# Altium PCB ISS_PCB.PcbDoc (part 3 of 4)
Units mm, origin at the board's own origin, x right, y up, seen from the top; angles counter-clockwise.
Board outline 90 x 90 mm, 4 copper layers (Signal+Parts, Power, GND, Signal), stack 1.591 mm thick; 230 components, 176 nets, 945 pads, 541 vias.
Unrouted connection lines stored in the file: 132.
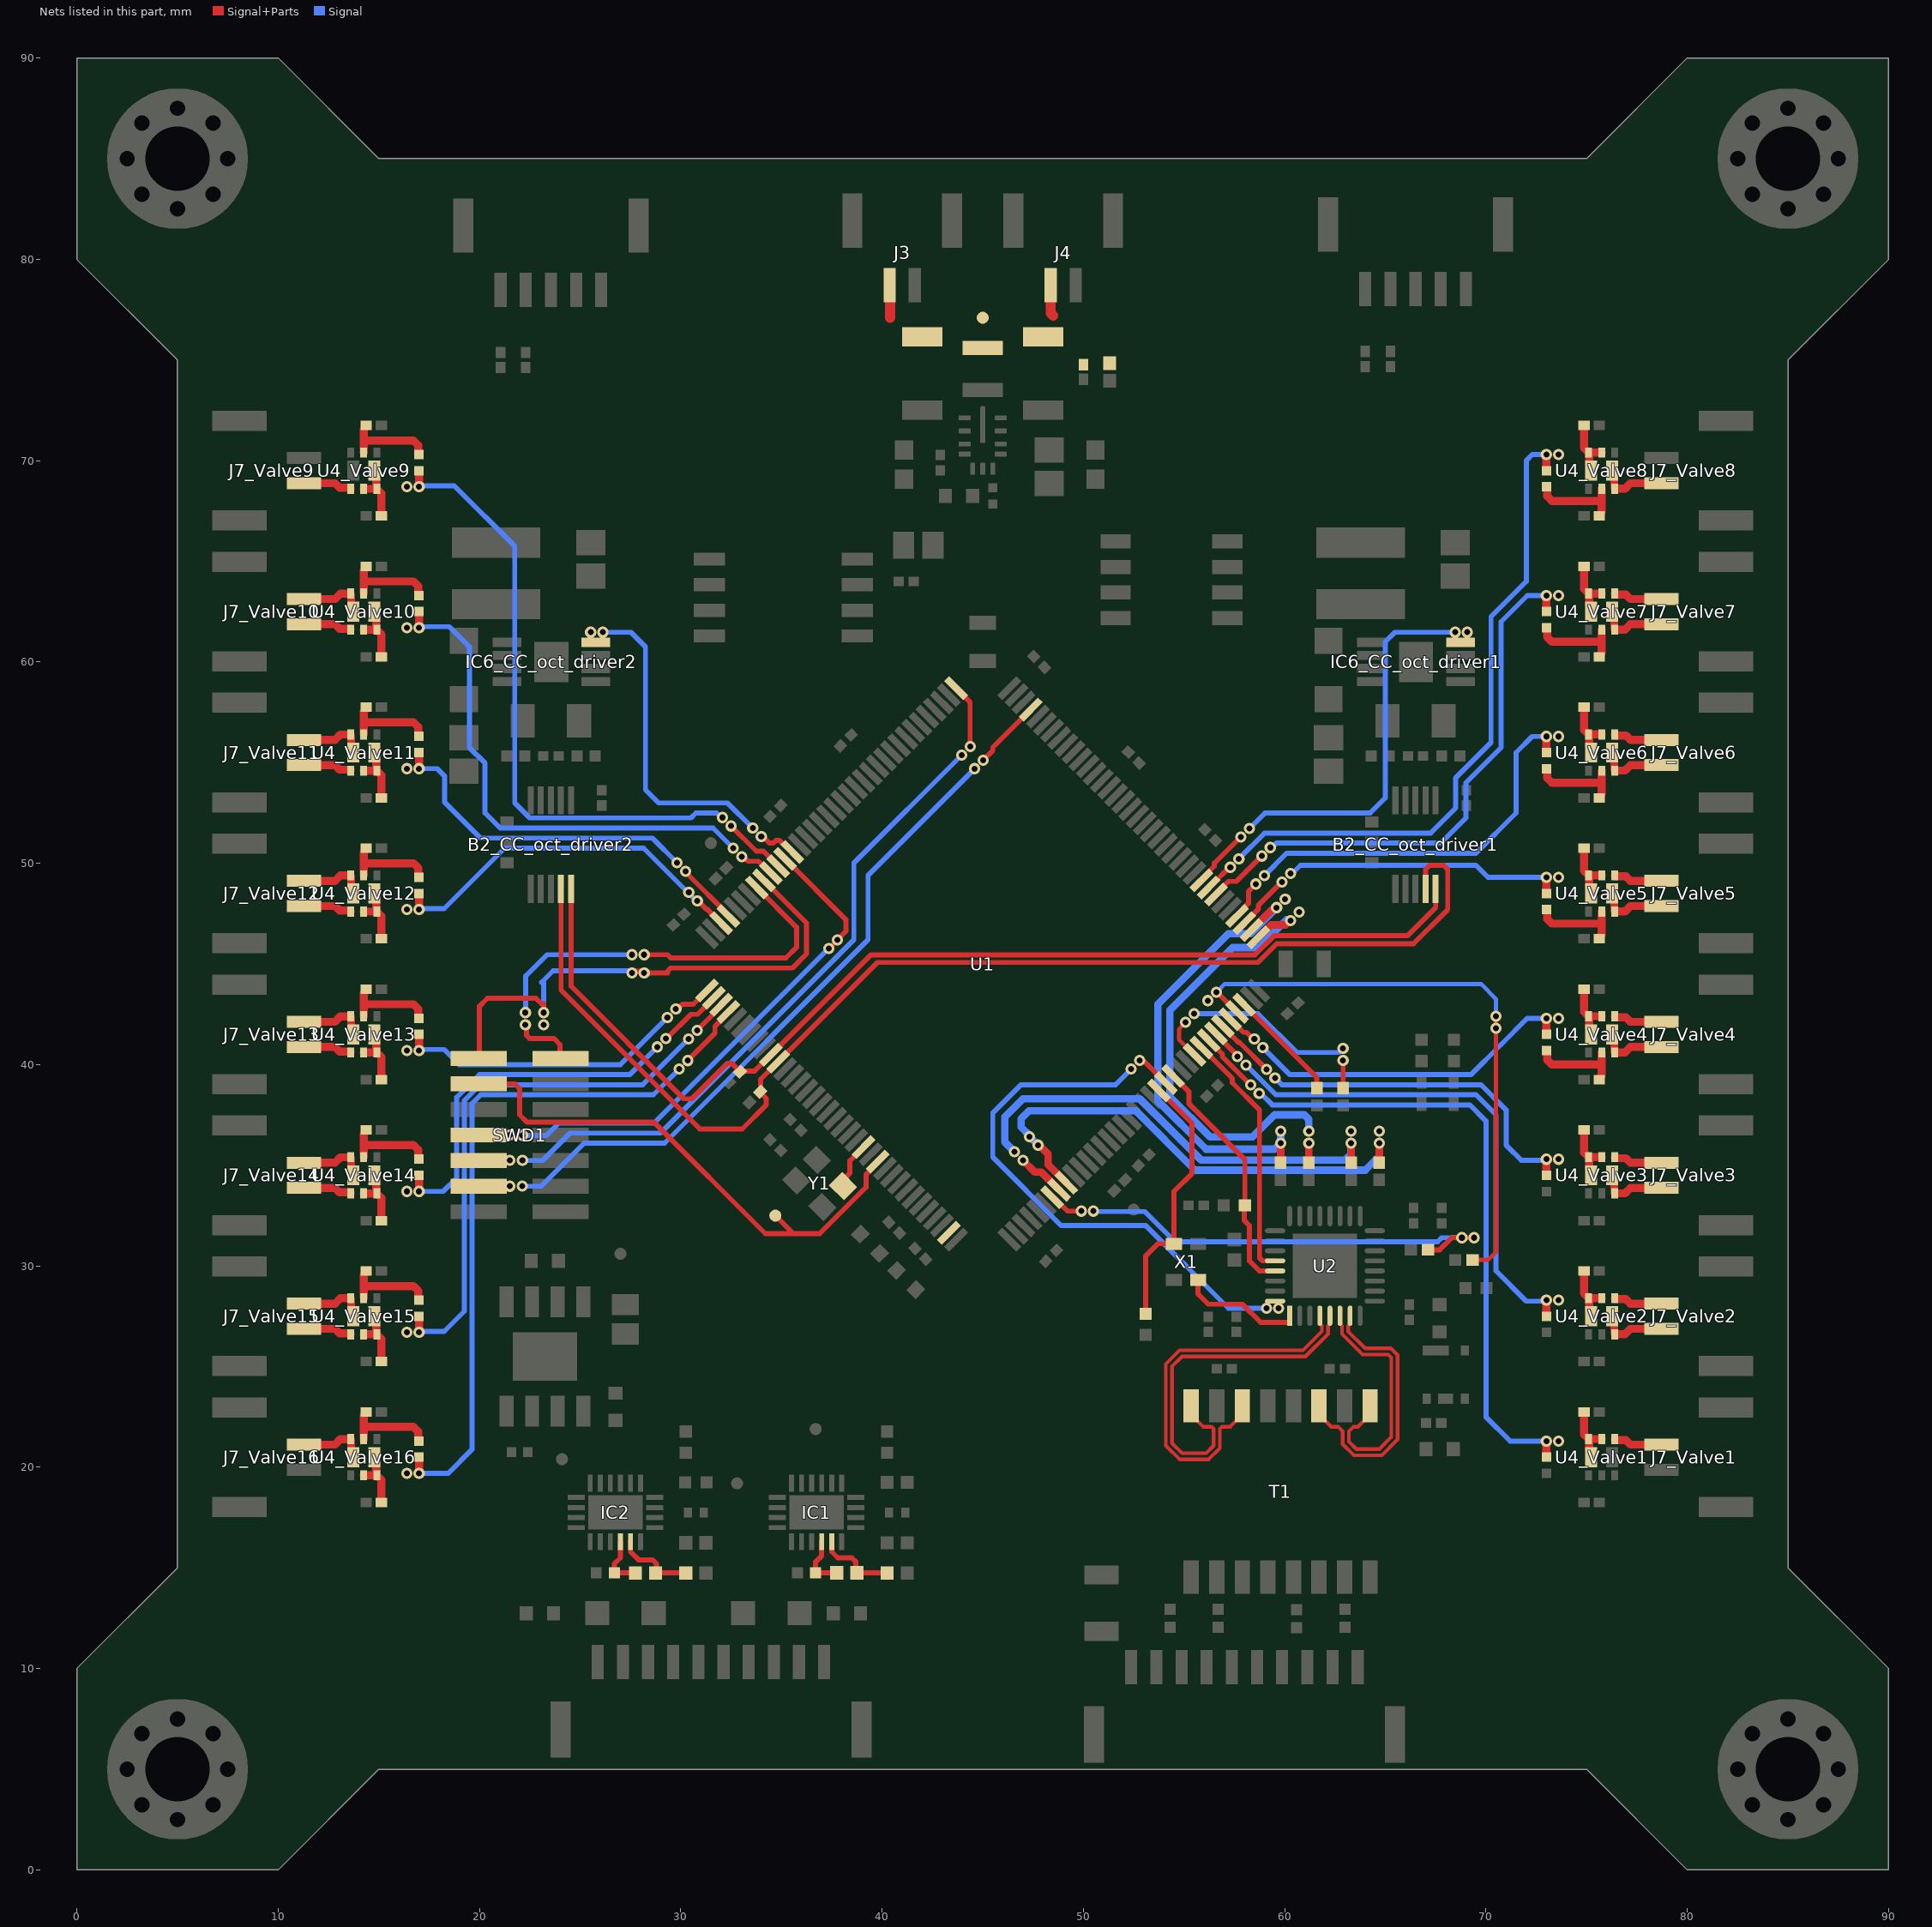
[diagram p5: the nets of this part, all layers, seen from the top]

## Via types
v1: diameter 0.56, hole 0.3, Signal+Parts to Signal, tented both sides, 541 vias

## Nets (pads, with @x,y where several pads share a name; then routed paths per layer and width w, separated by ;. In a path a pad name is that pad's centre, name@x,y a point inside that pad or via, vN(x,y) a via of type N, cw(c..) or ccw(c..) an arc to the next point about the centre after c; other vN are vias at no path point) (continued)
NetR41_Valve4_1: R41_Valve4.1 R43_Valve4.2 U4_Valve4.2 | length 4.7
  Signal+Parts w0.4: R43_Valve4.2@73,40.698 73.002,40.698 73.036,40.664 73.036,40.234 73.271,40 75.75,40 ; R41_Valve4.1@75.6,39.3 75.75,39.45 75.75,40 ; U4_Valve4.2@75.75,40.6 75.75,40
NetR41_Valve5_1: R41_Valve5.1 R43_Valve5.2 U4_Valve5.2 | length 4.7
  Signal+Parts w0.4: R43_Valve5.2@73,47.698 73.002,47.698 73.036,47.664 73.036,47.234 73.271,47 75.75,47 ; R41_Valve5.1@75.6,46.3 75.75,46.45 75.75,47 ; U4_Valve5.2@75.75,47.6 75.75,47
NetR41_Valve6_1: R41_Valve6.1 R43_Valve6.2 U4_Valve6.2 | length 4.7
  Signal+Parts w0.4: R43_Valve6.2@73,54.698 73.002,54.698 73.036,54.664 73.036,54.234 73.271,54 75.75,54 ; R41_Valve6.1@75.6,53.3 75.75,53.45 75.75,54 ; U4_Valve6.2@75.75,54.6 75.75,54
NetR41_Valve7_1: R41_Valve7.1 R43_Valve7.2 U4_Valve7.2 | length 4.7
  Signal+Parts w0.4: R43_Valve7.2@73,61.698 73.002,61.698 73.036,61.664 73.036,61.234 73.271,61 75.75,61 ; R41_Valve7.1@75.6,60.3 75.75,60.45 75.75,61 ; U4_Valve7.2@75.75,61.6 75.75,61
NetR41_Valve8_1: R41_Valve8.1 R43_Valve8.2 U4_Valve8.2 | length 4.7
  Signal+Parts w0.4: R43_Valve8.2@73,68.698 73.002,68.698 73.036,68.664 73.036,68.234 73.271,68 75.75,68 ; R41_Valve8.1@75.6,67.3 75.75,67.45 75.75,68 ; U4_Valve8.2@75.75,68.6 75.75,68
NetR41_Valve9_1: R41_Valve9.1 R43_Valve9.2 U4_Valve9.2 | length 4.7
  Signal+Parts w0.4: U4_Valve9.2@14.25,70.4 14.25,71 ; R41_Valve9.1@14.4,71.7 14.25,71.55 14.25,71 ; R43_Valve9.2@17,70.302 16.998,70.302 16.964,70.336 16.964,70.766 16.729,71 14.25,71
NetR41_Valve10_1: R41_Valve10.1 R43_Valve10.2 U4_Valve10.2 | length 4.7
  Signal+Parts w0.4: U4_Valve10.2@14.25,63.4 14.25,64 ; R41_Valve10.1@14.4,64.7 14.25,64.55 14.25,64 ; R43_Valve10.2@17,63.302 16.998,63.302 16.964,63.336 16.964,63.766 16.729,64 14.25,64
NetR41_Valve11_1: R41_Valve11.1 R43_Valve11.2 U4_Valve11.2 | length 4.7
  Signal+Parts w0.4: U4_Valve11.2@14.25,56.4 14.25,57 ; R41_Valve11.1@14.4,57.7 14.25,57.55 14.25,57 ; R43_Valve11.2@17,56.302 16.998,56.302 16.964,56.336 16.964,56.766 16.729,57 14.25,57
NetR41_Valve12_1: R41_Valve12.1 R43_Valve12.2 U4_Valve12.2 | length 4.7
  Signal+Parts w0.4: U4_Valve12.2@14.25,49.4 14.25,50 ; R41_Valve12.1@14.4,50.7 14.25,50.55 14.25,50 ; R43_Valve12.2@17,49.302 16.998,49.302 16.964,49.336 16.964,49.766 16.729,50 14.25,50
NetR41_Valve13_1: R41_Valve13.1 R43_Valve13.2 U4_Valve13.2 | length 4.7
  Signal+Parts w0.4: U4_Valve13.2@14.25,42.4 14.25,43 ; R41_Valve13.1@14.4,43.7 14.25,43.55 14.25,43 ; R43_Valve13.2@17,42.302 16.998,42.302 16.964,42.336 16.964,42.766 16.729,43 14.25,43
NetR41_Valve14_1: R41_Valve14.1 R43_Valve14.2 U4_Valve14.2 | length 4.7
  Signal+Parts w0.4: U4_Valve14.2@14.25,35.4 14.25,36 ; R41_Valve14.1@14.4,36.7 14.25,36.55 14.25,36 ; R43_Valve14.2@17,35.302 16.998,35.302 16.964,35.336 16.964,35.766 16.729,36 14.25,36
NetR41_Valve15_1: R41_Valve15.1 R43_Valve15.2 U4_Valve15.2 | length 4.7
  Signal+Parts w0.4: U4_Valve15.2@14.25,28.4 14.25,29 ; R41_Valve15.1@14.4,29.7 14.25,29.55 14.25,29 ; R43_Valve15.2@17,28.302 16.998,28.302 16.964,28.336 16.964,28.766 16.729,29 14.25,29
NetR41_Valve16_1: R41_Valve16.1 R43_Valve16.2 U4_Valve16.2 | length 4.7
  Signal+Parts w0.4: U4_Valve16.2@14.25,21.4 14.25,22 ; R41_Valve16.1@14.4,22.7 14.25,22.55 14.25,22 ; R43_Valve16.2@17,21.302 16.998,21.302 16.964,21.336 16.964,21.766 16.729,22 14.25,22
NetR42_Valve1_1: R42_Valve1.1 U4_Valve1.5 U4_Valve1.6 U4_Valve1.7 | length 2.9
  Signal+Parts w0.4: R42_Valve1.1@74.874,22.75 74.874,21.626 U4_Valve1.6@75,21.5 ; U4_Valve1.6@75.1,21.4 U4_Valve1.5@75.75,21.4 ; U4_Valve1.6@75.121,21.379 75.121,20.804 75.2,20.725 U4_Valve1.7@75.2,20.5
NetR42_Valve2_1: R42_Valve2.1 U4_Valve2.5 U4_Valve2.6 U4_Valve2.7 | length 2.9
  Signal+Parts w0.4: R42_Valve2.1@74.874,29.75 74.874,28.626 U4_Valve2.6@75,28.5 ; U4_Valve2.6@75.1,28.4 U4_Valve2.5@75.75,28.4 ; U4_Valve2.6@75.121,28.379 75.121,27.804 75.2,27.725 U4_Valve2.7@75.2,27.5
NetR42_Valve3_1: R42_Valve3.1 U4_Valve3.5 U4_Valve3.6 U4_Valve3.7 | length 2.9
  Signal+Parts w0.4: R42_Valve3.1@74.874,36.75 74.874,35.626 U4_Valve3.6@75,35.5 ; U4_Valve3.6@75.1,35.4 U4_Valve3.5@75.75,35.4 ; U4_Valve3.6@75.121,35.379 75.121,34.804 75.2,34.725 U4_Valve3.7@75.2,34.5
NetR42_Valve4_1: R42_Valve4.1 U4_Valve4.5 U4_Valve4.6 U4_Valve4.7 | length 2.9
  Signal+Parts w0.4: R42_Valve4.1@74.874,43.75 74.874,42.626 U4_Valve4.6@75,42.5 ; U4_Valve4.6@75.1,42.4 U4_Valve4.5@75.75,42.4 ; U4_Valve4.6@75.121,42.379 75.121,41.804 75.2,41.725 U4_Valve4.7@75.2,41.5
NetR42_Valve5_1: R42_Valve5.1 U4_Valve5.5 U4_Valve5.6 U4_Valve5.7 | length 2.9
  Signal+Parts w0.4: R42_Valve5.1@74.874,50.75 74.874,49.626 U4_Valve5.6@75,49.5 ; U4_Valve5.6@75.1,49.4 U4_Valve5.5@75.75,49.4 ; U4_Valve5.6@75.121,49.379 75.121,48.804 75.2,48.725 U4_Valve5.7@75.2,48.5
NetR42_Valve6_1: R42_Valve6.1 U4_Valve6.5 U4_Valve6.6 U4_Valve6.7 | length 2.9
  Signal+Parts w0.4: R42_Valve6.1@74.874,57.75 74.874,56.626 U4_Valve6.6@75,56.5 ; U4_Valve6.6@75.1,56.4 U4_Valve6.5@75.75,56.4 ; U4_Valve6.6@75.121,56.379 75.121,55.804 75.2,55.725 U4_Valve6.7@75.2,55.5
NetR42_Valve7_1: R42_Valve7.1 U4_Valve7.5 U4_Valve7.6 U4_Valve7.7 | length 2.9
  Signal+Parts w0.4: R42_Valve7.1@74.874,64.75 74.874,63.626 U4_Valve7.6@75,63.5 ; U4_Valve7.6@75.1,63.4 U4_Valve7.5@75.75,63.4 ; U4_Valve7.6@75.121,63.379 75.121,62.804 75.2,62.725 U4_Valve7.7@75.2,62.5
NetR42_Valve8_1: R42_Valve8.1 U4_Valve8.5 U4_Valve8.6 U4_Valve8.7 | length 2.9
  Signal+Parts w0.4: R42_Valve8.1@74.874,71.75 74.874,70.626 U4_Valve8.6@75,70.5 ; U4_Valve8.6@75.1,70.4 U4_Valve8.5@75.75,70.4 ; U4_Valve8.6@75.121,70.379 75.121,69.804 75.2,69.725 U4_Valve8.7@75.2,69.5
NetR42_Valve9_1: R42_Valve9.1 U4_Valve9.5 U4_Valve9.6 U4_Valve9.7 | length 2.9
  Signal+Parts w0.4: U4_Valve9.5@14.25,68.6 U4_Valve9.6@14.9,68.6 ; U4_Valve9.7@14.8,69.5 14.8,69.275 14.879,69.196 U4_Valve9.6@14.879,68.621 ; U4_Valve9.6@15,68.5 15.126,68.374 R42_Valve9.1@15.126,67.25
NetR42_Valve10_1: R42_Valve10.1 U4_Valve10.5 U4_Valve10.6 U4_Valve10.7 | length 2.9
  Signal+Parts w0.4: U4_Valve10.5@14.25,61.6 U4_Valve10.6@14.9,61.6 ; U4_Valve10.7@14.8,62.5 14.8,62.275 14.879,62.196 U4_Valve10.6@14.879,61.621 ; U4_Valve10.6@15,61.5 15.126,61.374 R42_Valve10.1@15.126,60.25
NetR42_Valve11_1: R42_Valve11.1 U4_Valve11.5 U4_Valve11.6 U4_Valve11.7 | length 2.9
  Signal+Parts w0.4: U4_Valve11.5@14.25,54.6 U4_Valve11.6@14.9,54.6 ; U4_Valve11.7@14.8,55.5 14.8,55.275 14.879,55.196 U4_Valve11.6@14.879,54.621 ; U4_Valve11.6@15,54.5 15.126,54.374 R42_Valve11.1@15.126,53.25
NetR42_Valve12_1: R42_Valve12.1 U4_Valve12.5 U4_Valve12.6 U4_Valve12.7 | length 2.9
  Signal+Parts w0.4: U4_Valve12.5@14.25,47.6 U4_Valve12.6@14.9,47.6 ; U4_Valve12.7@14.8,48.5 14.8,48.275 14.879,48.196 U4_Valve12.6@14.879,47.621 ; U4_Valve12.6@15,47.5 15.126,47.374 R42_Valve12.1@15.126,46.25
NetR42_Valve13_1: R42_Valve13.1 U4_Valve13.5 U4_Valve13.6 U4_Valve13.7 | length 2.9
  Signal+Parts w0.4: U4_Valve13.5@14.25,40.6 U4_Valve13.6@14.9,40.6 ; U4_Valve13.7@14.8,41.5 14.8,41.275 14.879,41.196 U4_Valve13.6@14.879,40.621 ; U4_Valve13.6@15,40.5 15.126,40.374 R42_Valve13.1@15.126,39.25
NetR42_Valve14_1: R42_Valve14.1 U4_Valve14.5 U4_Valve14.6 U4_Valve14.7 | length 2.9
  Signal+Parts w0.4: U4_Valve14.5@14.25,33.6 U4_Valve14.6@14.9,33.6 ; U4_Valve14.7@14.8,34.5 14.8,34.275 14.879,34.196 U4_Valve14.6@14.879,33.621 ; U4_Valve14.6@15,33.5 15.126,33.374 R42_Valve14.1@15.126,32.25
NetR42_Valve15_1: R42_Valve15.1 U4_Valve15.5 U4_Valve15.6 U4_Valve15.7 | length 2.9
  Signal+Parts w0.4: U4_Valve15.5@14.25,26.6 U4_Valve15.6@14.9,26.6 ; U4_Valve15.7@14.8,27.5 14.8,27.275 14.879,27.196 U4_Valve15.6@14.879,26.621 ; U4_Valve15.6@15,26.5 15.126,26.374 R42_Valve15.1@15.126,25.25
NetR42_Valve16_1: R42_Valve16.1 U4_Valve16.5 U4_Valve16.6 U4_Valve16.7 | length 2.9
  Signal+Parts w0.4: U4_Valve16.5@14.25,19.6 U4_Valve16.6@14.9,19.6 ; U4_Valve16.7@14.8,20.5 14.8,20.275 14.879,20.196 U4_Valve16.6@14.879,19.621 ; U4_Valve16.6@15,19.5 15.126,19.374 R42_Valve16.1@15.126,18.25
NetU1_23: U1.23 Y1.3 | length 2.2
  Signal+Parts w0.25: Y1.3@38.2,34.1 38.154,34.146 38.154,34.367 38.404,34.617 38.404,35.222 U1.23@39.078,35.896
NetU2_1: U2.1 X1.3 | length 6.2
  Signal+Parts w0.25: X1.3@55.7,29.3 55.7,28.6 56.2,28.1 57.9,28.1 58.8,27.2 60.245,27.2 60.245,27.519 U2.1@60.25,27.525
OVLO_5V: IC2.15 R9.1 R11.2 | length 3.9
  Signal+Parts w0.254: IC2.15@27.5,16.3 27.502,16.298 27.502,15.798 27.9,15.4 28.6,15.4 28.8,15.2 R9.1@28.8,14.8 ; R9.1@28.75,14.75 30.15,14.75 R11.2@30.2,14.8
OVLO_12V: IC1.15 R2.1 R5.2 | length 3.8
  Signal+Parts w0.254: IC1.15@37.5,16.3 37.502,16.298 37.502,15.798 37.8,15.5 38.5,15.5 38.7,15.3 R2.1@38.7,14.9 ; R2.1@38.752,14.75 40.15,14.75 R5.2@40.2,14.8
PHY_EN_CLK: R35.2 U1.58 X1.1 | length 13.1
  Signal+Parts w0.25: R35.2@53.1,27.625 53.1,30.5 53.7,31.1 X1.1@54.4,31.1 ; U1.58@53.75,38.724 55.4,37.075 55.4,34.6 54.5,33.7 X1.1@54.5,31.1
PHY_INTR_O: R28.2 U1.60 U2.29 | length 12
  Signal+Parts w0.25: U1.60@54.6,39.289 55.25,38.639 55.25,38.05 58.025,35.275 R28.2@58.025,33 ; R28.2@58,33 58,32.25 58.25,32 58.25,30.25 58.75,29.75 U2.29@59.525,29.75
PHY_REF_CLK: R27.2 U1.63 | length 11.1
  Signal+Parts w0.203: v1(55.076,42.103) 55.076,42.076 54.75,41.75 54.75,41.25 U1.63@55.25,40.75
  Signal+Parts w0.25: R27.2@62.9,38.829 v1@62.9,40
  Signal w0.25: v1@55.528,42.528 58.672,42.528 60.6,40.6 62.698,40.6 v1(62.899,40.802)
  other v1: 62.899,40.202 55.5,42.528
PHY_RESET: U1.64 U2.28 | length 12.3
  Signal+Parts w0.25: U1.64@56,40.7 56.018,40.7 57.4,39.318 57.4,39.1 58.75,37.75 58.75,30.396 58.896,30.25 U2.28@59.525,30.25
PHY_SIGDET: U1.59 U2.32 | length 28.1
  Signal+Parts w0.25: v1(52.801,40.201) 52.86,40.142 53.04,40.142 53.882,39.3 U1.59@53.9,39.3
  Signal w0.25: v1@52.4,39.7 52.299,39.7 51.599,39 46.9,39 45.5,37.6 45.5,35.4 48.9,32 53.1,32 57.201,27.899 v1(59.098,27.899)
  other v1: 59.698,27.899 52.376,39.777
Pump_VDD: C42.1 C43.1 C44.2 J3.2 J4.2 L1.2 R36.2 TP8.1 | length 3.2
  Signal+Parts w0.5: J3.2@40.375,78.725 40.4,78.7 40.4,77.1 ; J4.2@48.375,78.725 48.375,77.325 48.5,77.2
RESET: SWD1.12 TP5.1 U1.25 | length 26.9
  Signal+Parts w0.25: SWD1.12@19.965,39.04 21.76,39.04 22,38.8 22,37.5 22.352,37.148 28.652,37.148 34.2,31.6 35.6,31.6 ; TP5.1@34.65,32.55 35.6,31.6 ; U1.25@39.785,35.189 39.785,35.118 39.2,34.533 39.2,33.9 36.9,31.6 35.6,31.6
RMII_CRS_DV: R18.2 U1.43 | length 23.2
  Signal+Parts w0.25: U1.43@48.447,33.421 48.518,33.421 49.215,32.724 49.824,32.724 v1@49.9,32.8 ; R18.2@67.129,30.8 67.7,30.8 68.3,31.4 v1@69.2,31.4
  Signal w0.25: v1@50.407,32.7 53.05,32.7 54.55,31.2 67.6,31.2 67.801,31.401 v1(68.802,31.401)
  other v1: 69.402,31.401 49.899,32.724 50.499,32.724
RMII_REF_CLK: U1.35
RMII_RX_D0: R19.2 U1.44 | length 24.7
  Signal+Parts w0.369: R19.2@63.3,35.129 v1(63.301,36.098)
  Signal+Parts w0.37: v1(47.001,35.249) 47.588,34.663 47.913,34.663 U1.44@48.801,33.775
  Signal w0.37: v1@46.5,35.75 46.1,36.15 46.1,37.4 47,38.3 52.8,38.3 55.85,35.25 63,35.25 63.301,35.551 v1(63.301,36.098)
  other v1: 46.577,35.674 63.301,36.698
RMII_RX_D1: R20.2 U1.45 | length 25.2
  Signal+Parts w0.369: R20.2@64.7,35.129 v1@64.7,36
  Signal+Parts w0.37: v1@47.75,36 47.802,36 48.242,35.56 48.25,35.56 48.25,35.032 U1.45@49.154,34.128
  Signal w0.369: 55.546,34.754 64.004,34.754 64.701,35.451 v1(64.701,36.098)
  Signal w0.37: v1@47.303,36.451 47.3,36.451 v1(47.751,35.999) ; v1(47.327,36.424) 47.327,36.475 46.9,36.902 46.9,37.297 47.303,37.7 52.6,37.7 55.546,34.754
  other v1: 64.701,36.698
RMII_RX_ER: R21.2 U1.69 | length 29.9
  Signal+Parts w0.203: R21.2@69.329,30.3 70.1,30.3 70.5,30.7 v1(70.499,41.802) v1@70.5,42.5
  Signal+Parts w0.25: v1@56.5,43.7 56.528,43.7 57.614,42.614 U1.69@57.64,42.614
  Signal w0.203: v1(56.601,43.601) 56.631,43.601 57.029,44 69.75,44 70.5,43.25 v1@70.5,42.5
  other v1: 70.499,42.402 56.176,43.177
RMII_TX_EN: R22.2 U1.70 | length 5.6
  Signal+Parts w0.25: U1.70@57.993,42.967 61.595,39.365 61.595,38.833 R22.2@61.6,38.829
RMII_TXD0: R24.2 U1.73 | length 23.7
  Signal+Parts w0.37: U1.73@58.7,46.326 58.708,46.326 59.319,46.937 60.037,46.937 v1@60.3,47.2 ; R24.2@61.2,35.129 v1@61.2,36
  Signal w0.37: v1@60.1,47.2 58.711,45.811 57.411,45.811 54.3,42.7 54.3,38.4 56.3,36.4 58.4,36.4 59.5,37.5 60.983,37.5 61.2,37.283 v1@61.2,36.699
  other v1: 61.201,36.098 61.201,36.698 60.299,47.149 60.724,47.573
RMII_TXD1: R25.2 U1.74 | length 23.1
  Signal+Parts w0.37: U1.74@58.347,46.679 59.367,47.7 v1@59.6,47.7 ; R25.2@59.8,35.129 v1@59.8,36
  Signal w0.37: v1(59.599,47.799) 58.301,46.5 57.2,46.5 53.7,43 53.7,38.2 56.1,35.8 59.489,35.8 59.787,36.098 v1(59.801,36.098) ; v1@59.801,36.1 v1(59.801,36.698)
  other v1: 60.024,48.223
RX_N: T1.3 U2.7 | length 13.8
  Signal+Parts w0.18: T1.3@61.705,23.055 61.705,22.611 62.303,22.012 62.653,22.012 62.883,21.783 62.883,21.147 63.437,20.593 64.827,20.593 65.607,21.373 65.607,25.577 65.277,25.907 63.997,25.907 63.154,26.751 63.154,27.028 63.25,27.125 U2.7@63.25,27.525
RX_P: T1.1 U2.6 | length 12.7
  Signal+Parts w0.18: U2.6@62.75,27.525 62.75,27.125 62.846,27.028 62.846,26.624 63.87,25.6 65.15,25.6 65.3,25.45 65.3,21.5 64.7,20.9 63.565,20.9 63.19,21.275 63.19,21.783 63.42,22.012 63.647,22.012 64.245,22.611 T1.1@64.245,23.055
SCL: B2_CC_oct_driver1.5 B2_CC_oct_driver2.5 R14.2 U1.10 | length 55
  Signal+Parts w0.25: B2_CC_oct_driver2.5@24.55,48.725 24.55,43.899 30.149,38.3 30.55,38.3 32.317,40.067 32.524,40.067 R14.2@32.947,39.644 ; R14.2@33.075,39.675 33.664,39.675 U1.10@34.482,40.492 ; U1.10@34.6,40.6 39.454,45.454 58.521,45.454 59.467,46.4 66.1,46.4 67.5,47.8 B2_CC_oct_driver1.5@67.5,48.725
SDA: B2_CC_oct_driver1.4 B2_CC_oct_driver2.4 R15.2 U1.11 | length 61.8
  Signal+Parts w0.25: B2_CC_oct_driver2.4@24.05,48.725 24.05,43.7 30.95,36.8 33.05,36.8 34.25,38 34.25,38.31 33.937,38.623 R15.2@33.937,38.654 ; R15.2@33.9,38.7 33.968,38.768 33.968,39.271 U1.11@34.835,40.139 39.774,45.077 58.677,45.077 59.6,46 66.4,46 68.1,47.7 68.1,49.7 67.9,49.9 67.2,49.9 67,49.7 B2_CC_oct_driver1.4@67,48.725
ST_LINK_RX: SWD1.14 U1.136 | length 26.1
  Signal+Parts w0.25: SWD1.14@20,40.3 20,42.9 20.4,43.3 22.8,43.3 23.083,43.017 ; v1(23.183,42.583) 23.183,43.017 ; v1@27.583,44.634 v1@28.183,44.634 ; v1(28.183,44.558) 29.358,44.558 ; 29.358,44.658 29.5,44.8 ; 29.541,44.8 35.55,44.8 36.25,45.5 36.25,47.032 U1.136@34.128,49.154
  Signal w0.25: 23.083,44.083 23.658,44.658 v1@27.558,44.658 ; v1(23.183,42.583) 23.183,44.083
  other v1: 23.183,41.983 27.583,44.558
ST_LINK_TX: SWD1.13 U1.137 | length 22.3
  Signal+Parts w0.25: v1(22.283,41.983) 22.343,41.924 22.343,41.446 22.489,41.3 23.7,41.3 24,41 SWD1.13@24,40.3 ; v1(28.183,45.458) 29.342,45.458 29.5,45.3 35.225,45.3 35.75,45.825 35.75,46.825 U1.137@33.775,48.801
  Signal w0.25: v1@22.3,42.6 22.3,44.4 23.358,45.458 v1(27.583,45.458)
  other v1: 22.283,42.583
SWCLK: SWD1.6 U1.109 | length 35.6
  Signal+Parts w0.25: U1.109@43.674,58.7 44.374,58 v1@44.374,55.774 ; v1@44,55.485 v1@44,55.5
  Signal w0.25: v1(22.136,35.246) 22.148,35.233 23.133,35.233 24.5,36.6 29,36.6 38.6,46.2 38.6,50.022 v1(43.952,55.374)
  other v1: 21.5,35.25 44.376,55.798
SWDIO: SWD1.4 U1.105 | length 36.6
  Signal+Parts w0.25: SWD1.4@19.965,33.96 SWD1.4@20.08,34.075 ; v1(45.024,55.124) 45.5,55.6 45.5,55.753 U1.105@47.386,57.64
  Signal w0.25: v1(22.13,33.961) 22.133,33.958 23.058,33.958 25.2,36.1 29.2,36.1 39.3,46.2 39.3,49.4 v1(44.6,54.7)
  other v1: 21.503,33.958
SWO: SWD1.8 U1.133 | length 24.9
  Signal+Parts w0.25: U1.133@35.189,50.215 38.2,47.204 38.2,46.622 v1(37.776,46.198) ; v1@37.5,45.9 v1@37.787,46.187
  Signal w0.25: v1(22.133,36.49) 22.139,36.483 23.333,36.483 23.95,37.1 28.678,37.1 v1(37.352,45.774)
  other v1: 21.5,36.5
TX_N: T1.8 U2.5 | length 18.4
  Signal+Parts w0.18: 54.4,23.8 54.4,25 54.9,25.5 61.03,25.5 62.154,26.624 62.154,27.028 62.25,27.125 U2.5@62.25,27.525 ; 54.4,23.9 54.4,21.2 54.9,20.7 56.1,20.7 56.471,21.071 56.471,21.907 56.366,22.012 55.953,22.012 55.391,22.575 T1.8@55.391,23.081
TX_P: T1.6 U2.4 | length 19.3
  Signal+Parts w0.18: T1.6@57.895,23.055 57.895,22.611 57.297,22.012 56.884,22.012 56.779,21.907 56.779,20.944 56.227,20.393 54.773,20.393 54.093,21.073 54.093,25.127 54.773,25.807 60.903,25.807 61.846,26.751 61.846,27.028 61.75,27.125 U2.4@61.75,27.525
UVLO_5V: IC2.14 R7.1 R9.2 | length 2.7
  Signal+Parts w0.254: R7.1@26.7,14.75 R9.2@27.75,14.75 R9.2@27.8,14.7 ; R7.1@26.7,14.8 26.7,15.2 27,15.5 IC2.14@27,16.3
UVLO_12V: IC1.14 R1.1 R2.2 | length 2.6
  Signal+Parts w0.254: R1.1@36.7,14.75 37.65,14.75 R2.2@37.7,14.7 ; R1.1@36.7,14.8 36.7,15.3 37,15.6 IC1.14@37,16.3
VALVE_PWR_EN1: IC6_CC_oct_driver1.4 U1.81 | length 21.8
  Signal+Parts w0.25: U1.81@55.872,49.154 55.872,49.225 56.5,49.853 56.5,50 v1@57.8,51.3
  Signal w0.25: v1@58.15,51.75 v1@58.248,51.75 ; v1(58.248,51.726) 59.022,52.5 64.25,52.5 65,53.25 65,61 65.476,61.476 v1(68.474,61.476)
  other v1: 57.824,51.302 69.074,61.476
VALVE_PWR_EN2: IC6_CC_oct_driver2.4 U1.132 | length 17.2
  Signal+Parts w0.25: v1(33.998,51.324) 34.082,51.324 34.4,51.007 34.607,51.007 34.746,51.146 34.894,51.146 35.24,50.8 U1.132@35.3,50.8
  Signal w0.25: v1(26.124,61.476) 27.524,61.476 28.25,60.75 28.25,53.65 28.9,53 32.322,53 33.5,51.822 v1@33.5,51.75
  other v1: 33.574,51.748 25.524,61.476
ValveDrain2: J7_Valve1.2 J7_Valve2.1 U4_Valve1.4 U4_Valve2.3 U4_Valve2.8 | length 5.8
  Signal+Parts w0.4: U4_Valve2.8@76.275,27.5 76.375,27.4 U4_Valve2.3@76.375,26.65 ; U4_Valve1.4@76.4,21.4 76.4,21.375 76.425,21.35 76.95,21.35 77.175,21.125 J7_Valve1.2@78.725,21.125 ; U4_Valve2.3@76.4,26.6 76.404,26.604 76.904,26.604 77.175,26.875 J7_Valve2.1@78.725,26.875
ValveDrain3: J7_Valve2.2 J7_Valve3.1 U4_Valve2.4 U4_Valve3.3 U4_Valve3.8 | length 5.8
  Signal+Parts w0.4: U4_Valve3.8@76.275,34.5 76.375,34.4 U4_Valve3.3@76.375,33.65 ; U4_Valve2.4@76.4,28.4 76.4,28.375 76.425,28.35 76.95,28.35 77.175,28.125 J7_Valve2.2@78.725,28.125 ; U4_Valve3.3@76.4,33.6 76.404,33.604 76.904,33.604 77.175,33.875 J7_Valve3.1@78.725,33.875
ValveDrain4: J7_Valve3.2 J7_Valve4.1 U4_Valve3.4 U4_Valve4.3 U4_Valve4.8 | length 5.8
  Signal+Parts w0.4: U4_Valve4.8@76.275,41.5 76.375,41.4 U4_Valve4.3@76.375,40.65 ; U4_Valve3.4@76.4,35.4 76.4,35.375 76.425,35.35 76.95,35.35 77.175,35.125 J7_Valve3.2@78.725,35.125 ; U4_Valve4.3@76.4,40.6 76.404,40.604 76.904,40.604 77.175,40.875 J7_Valve4.1@78.725,40.875
ValveDrain5: J7_Valve4.2 J7_Valve5.1 U4_Valve4.4 U4_Valve5.3 U4_Valve5.8 | length 5.8
  Signal+Parts w0.4: U4_Valve5.8@76.275,48.5 76.375,48.4 U4_Valve5.3@76.375,47.65 ; U4_Valve4.4@76.4,42.4 76.4,42.375 76.425,42.35 76.95,42.35 77.175,42.125 J7_Valve4.2@78.725,42.125 ; U4_Valve5.3@76.4,47.6 76.404,47.604 76.904,47.604 77.175,47.875 J7_Valve5.1@78.725,47.875
ValveDrain6: J7_Valve5.2 J7_Valve6.1 U4_Valve5.4 U4_Valve6.3 U4_Valve6.8 | length 5.8
  Signal+Parts w0.4: U4_Valve6.8@76.275,55.5 76.375,55.4 U4_Valve6.3@76.375,54.65 ; U4_Valve5.4@76.4,49.4 76.4,49.375 76.425,49.35 76.95,49.35 77.175,49.125 J7_Valve5.2@78.725,49.125 ; U4_Valve6.3@76.4,54.6 76.404,54.604 76.904,54.604 77.175,54.875 J7_Valve6.1@78.725,54.875
ValveDrain7: J7_Valve6.2 J7_Valve7.1 U4_Valve6.4 U4_Valve7.3 U4_Valve7.8 | length 5.8
  Signal+Parts w0.4: U4_Valve7.8@76.275,62.5 76.375,62.4 U4_Valve7.3@76.375,61.65 ; U4_Valve6.4@76.4,56.4 76.4,56.375 76.425,56.35 76.95,56.35 77.175,56.125 J7_Valve6.2@78.725,56.125 ; U4_Valve7.3@76.4,61.6 76.404,61.604 76.904,61.604 77.175,61.875 J7_Valve7.1@78.725,61.875
ValveDrain8: J7_Valve7.2 J7_Valve8.1 U4_Valve7.4 U4_Valve8.3 U4_Valve8.8 | length 5.8
  Signal+Parts w0.4: U4_Valve8.8@76.275,69.5 76.375,69.4 U4_Valve8.3@76.375,68.65 ; U4_Valve7.4@76.4,63.4 76.4,63.375 76.425,63.35 76.95,63.35 77.175,63.125 J7_Valve7.2@78.725,63.125 ; U4_Valve8.3@76.4,68.6 76.404,68.604 76.904,68.604 77.175,68.875 J7_Valve8.1@78.725,68.875